# Altium PCB m-BLANC.PcbDoc (part 12 of 15) (continued)
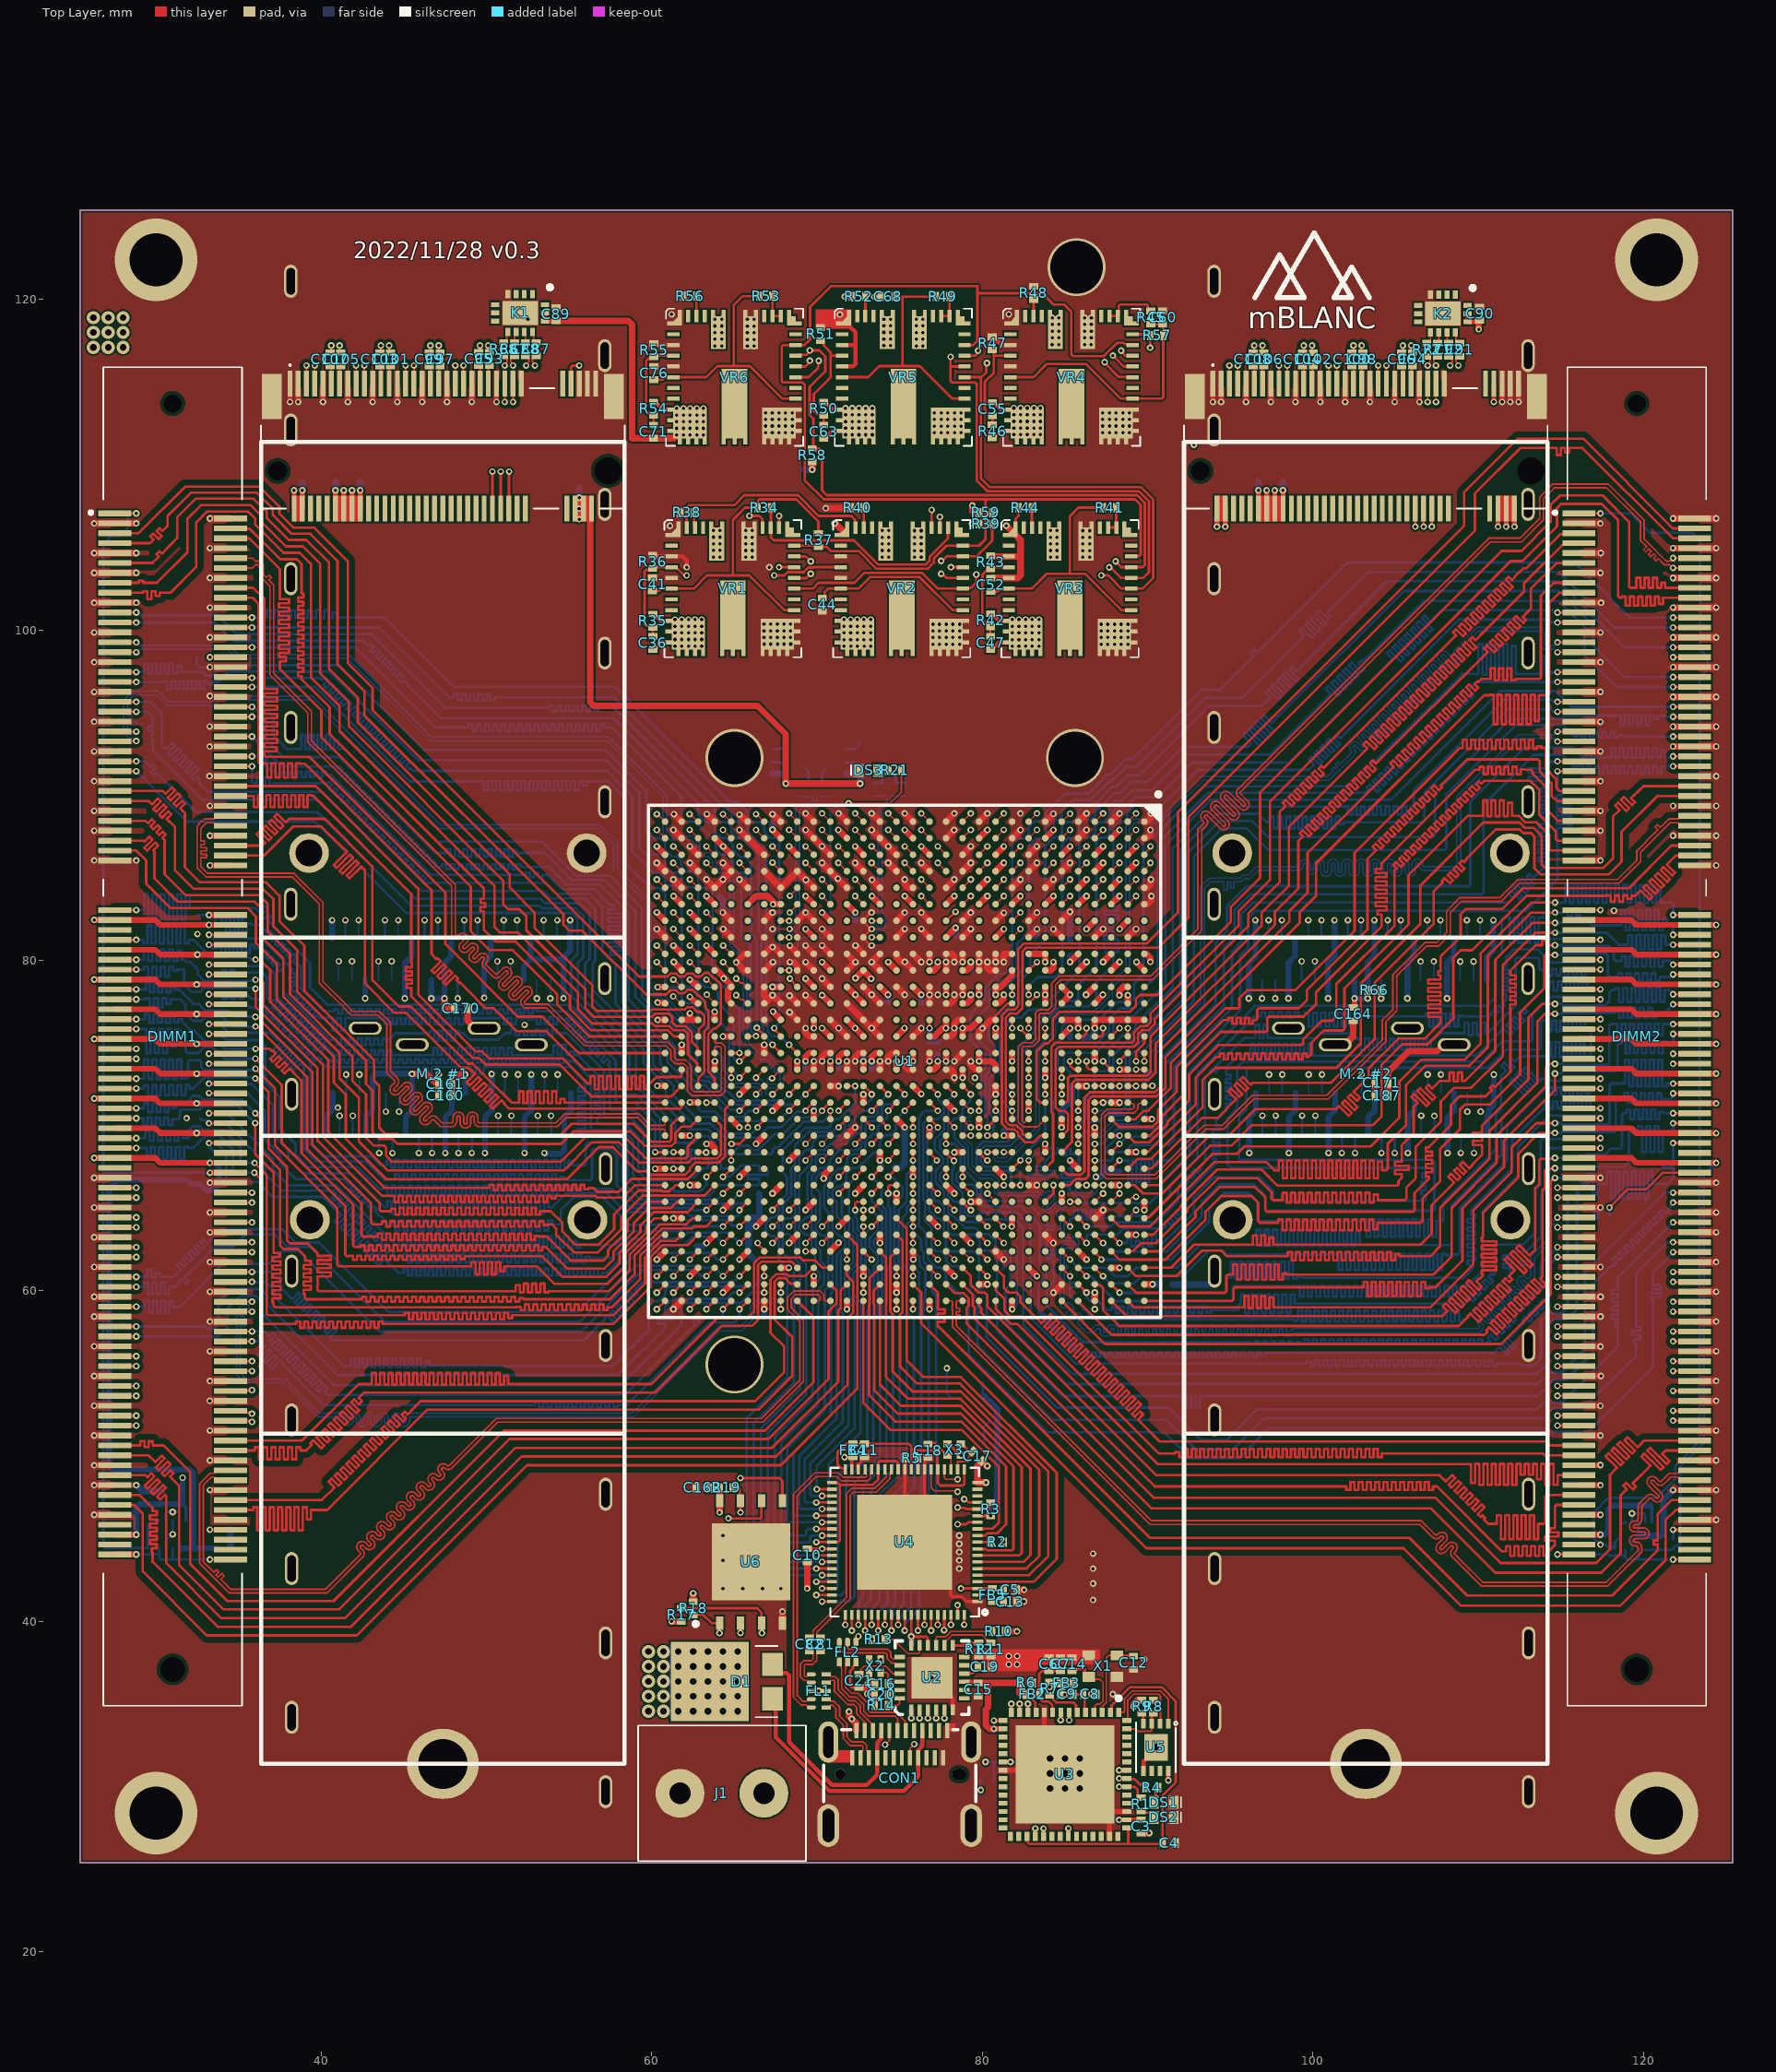
[diagram p0: Top Layer view]
## Nets (pads, with @x,y where several pads share a name; then routed paths per layer and width w, separated by ;. In a path a pad name is that pad's centre, name@x,y a point inside that pad or via, vN(x,y) a via of type N, cw(c..) or ccw(c..) an arc to the next point about the centre after c; other vN are vias at no path point) (continued)
PCIe2_RX2_N: "M.2 #2.17" U1.D5 | length 59.9
  Top Layer w0.1: U1.D5@86.8,84.4 v1(87.3,84.9) ; 97.95,114.9 v1(97.95,116)
  InLayer2 (Signal) w0.1: v1(87.3,84.9) 87.3,84.571 87.241,84.513 87.065,84.513 86.725,84.172 86.725,83.662 87.17,83.217 90.436,83.217 91.9,84.682 91.9,87.809 100.079,95.989 100.082,95.991 100.082,96.15 ; v1(97.95,116) 97.95,116.071 98.092,116.213 98.092,116.385 98.332,116.625 98.643,116.625 100.082,115.186 100.082,103.908 100.082,103.745 ccw(c100.182,103.745) 100.182,103.645 100.304,103.645 cw(c100.304,103.32) 100.629,103.32 cw(c100.304,103.32) 100.304,102.995 99.662,102.995 ccw(c99.662,102.895) 99.562,102.895 ccw(c99.662,102.895) 99.662,102.795 100.304,102.795 cw(c100.304,102.47) 100.629,102.47 cw(c100.304,102.47) 100.304,102.145 99.662,102.145 ccw(c99.662,102.045) 99.562,102.045 ccw(c99.662,102.045) 99.662,101.945 100.304,101.945 cw(c100.304,101.62) 100.629,101.62 cw(c100.304,101.62) 100.304,101.295 99.662,101.295 ccw(c99.662,101.195) 99.562,101.195 ccw(c99.662,101.195) 99.662,101.095 100.304,101.095 cw(c100.304,100.77) 100.629,100.77 cw(c100.304,100.77) 100.304,100.445 99.662,100.445 ccw(c99.662,100.345) 99.562,100.345 ccw(c99.662,100.345) 99.662,100.245 100.304,100.245 cw(c100.304,99.92) 100.629,99.92 cw(c100.304,99.92) 100.304,99.595 99.662,99.595 ccw(c99.662,99.495) 99.562,99.495 ccw(c99.662,99.495) 99.662,99.395 100.304,99.395 cw(c100.304,99.07) 100.629,99.07 cw(c100.304,99.07) 100.304,98.745 99.662,98.745 ccw(c99.662,98.645) 99.562,98.645 ccw(c99.662,98.645) 99.662,98.545 100.304,98.545 cw(c100.304,98.22) 100.629,98.22 cw(c100.304,98.22) 100.304,97.895 99.662,97.895 ccw(c99.662,97.795) 99.562,97.795 ccw(c99.662,97.795) 99.662,97.695 100.192,97.695 cw(c100.192,97.37) 100.517,97.37 cw(c100.192,97.37) 100.192,97.045 99.757,97.045 ccw(c99.757,96.945) 99.657,96.945 ccw(c99.757,96.945) 99.757,96.845 cw(c99.757,96.52) 100.082,96.52 100.082,96.151
PCIe2_RX2_P: "M.2 #2.19" U1.D6 | length 59.9
  Top Layer w0.1: U1.D6@86.8,83.4 v1(87.3,83.9) ; 98.45,114.9 v1(98.45,116)
  InLayer2 (Signal) w0.1: v1(87.3,83.9) 87.3,84.229 87.241,84.288 87.159,84.288 86.95,84.079 86.95,83.755 87.263,83.442 90.342,83.442 91.675,84.775 91.675,87.903 99.761,95.989 99.857,96.084 99.857,96.15 ; v1(98.45,116) 98.45,116.075 98.317,116.209 98.317,116.291 98.425,116.4 98.55,116.4 98.851,116.099 98.886,116.064 99.027,115.923 98.747,115.642 98.889,115.501 99.169,115.781 99.31,115.64 99.03,115.36 99.171,115.218 99.452,115.498 99.593,115.357 99.498,115.262 99.64,115.121 99.734,115.215 99.853,115.097 99.857,115.093 99.857,103.908 99.857,103.745 ccw(c100.182,103.745) 100.182,103.42 100.304,103.42 cw(c100.304,103.32) 100.404,103.32 cw(c100.304,103.32) 100.304,103.22 99.662,103.22 ccw(c99.662,102.895) 99.337,102.895 ccw(c99.662,102.895) 99.662,102.57 100.304,102.57 cw(c100.304,102.47) 100.404,102.47 cw(c100.304,102.47) 100.304,102.37 99.662,102.37 ccw(c99.662,102.045) 99.337,102.045 ccw(c99.662,102.045) 99.662,101.72 100.304,101.72 cw(c100.304,101.62) 100.404,101.62 cw(c100.304,101.62) 100.304,101.52 99.662,101.52 ccw(c99.662,101.195) 99.337,101.195 ccw(c99.662,101.195) 99.662,100.87 100.304,100.87 cw(c100.304,100.77) 100.404,100.77 cw(c100.304,100.77) 100.304,100.67 99.662,100.67 ccw(c99.662,100.345) 99.337,100.345 ccw(c99.662,100.345) 99.662,100.02 100.304,100.02 cw(c100.304,99.92) 100.404,99.92 cw(c100.304,99.92) 100.304,99.82 99.662,99.82 ccw(c99.662,99.495) 99.337,99.495 ccw(c99.662,99.495) 99.662,99.17 100.304,99.17 cw(c100.304,99.07) 100.404,99.07 cw(c100.304,99.07) 100.304,98.97 99.662,98.97 ccw(c99.662,98.645) 99.337,98.645 ccw(c99.662,98.645) 99.662,98.32 100.304,98.32 cw(c100.304,98.22) 100.404,98.22 cw(c100.304,98.22) 100.304,98.12 99.662,98.12 ccw(c99.662,97.795) 99.337,97.795 ccw(c99.662,97.795) 99.662,97.47 100.192,97.47 cw(c100.192,97.37) 100.292,97.37 cw(c100.192,97.37) 100.192,97.27 99.757,97.27 ccw(c99.757,96.945) 99.432,96.945 ccw(c99.757,96.945) 99.757,96.62 cw(c99.757,96.52) 99.857,96.52 99.857,96.151
PCIe2_RX3_N: "M.2 #2.5" U1.C3 | length 57.1
  Top Layer w0.1: U1.C3@87.8,86.4 v1(88.3,86.9) ; 94.95,114.9 v1(94.95,116)
  InLayer2 (Signal) w0.1: v1(88.3,86.9) 88.3,86.571 88.359,86.513 88.641,86.513 88.7,86.571 88.7,89.307 92.157,92.764 92.157,94.492 92.157,95.804 cw(c92.482,95.804) 92.482,96.129 92.904,96.129 ccw(c92.904,96.229) 93.003,96.229 ccw(c92.904,96.229) 92.904,96.329 92.168,96.329 cw(c92.168,96.654) 91.843,96.654 cw(c92.168,96.654) 92.168,96.979 93.022,96.979 ccw(c93.022,97.079) 93.122,97.079 ccw(c93.022,97.079) 93.022,97.179 92.168,97.179 cw(c92.168,97.504) 91.843,97.504 cw(c92.168,97.504) 92.168,97.829 93.022,97.829 ccw(c93.022,97.929) 93.122,97.929 ccw(c93.022,97.929) 93.022,98.029 92.168,98.029 cw(c92.168,98.354) 91.843,98.354 cw(c92.168,98.354) 92.168,98.679 93.022,98.679 ccw(c93.022,98.779) 93.122,98.779 ccw(c93.022,98.779) 93.022,98.879 92.168,98.879 cw(c92.168,99.204) 91.843,99.204 cw(c92.168,99.204) 92.168,99.529 93.022,99.529 ccw(c93.022,99.629) 93.122,99.629 ccw(c93.022,99.629) 93.022,99.729 92.168,99.729 cw(c92.168,100.054) 91.843,100.054 cw(c92.168,100.054) 92.168,100.379 93.022,100.379 ccw(c93.022,100.479) 93.122,100.479 ccw(c93.022,100.479) 93.022,100.579 92.168,100.579 cw(c92.168,100.904) 91.843,100.904 cw(c92.168,100.904) 92.168,101.229 93.022,101.229 ccw(c93.022,101.329) 93.122,101.329 ccw(c93.022,101.329) 93.022,101.429 92.168,101.429 cw(c92.168,101.754) 91.843,101.754 cw(c92.168,101.754) 92.168,102.079 93.022,102.079 ccw(c93.022,102.179) 93.122,102.179 ccw(c93.022,102.179) 93.022,102.279 92.168,102.279 cw(c92.168,102.604) 91.843,102.604 cw(c92.168,102.604) 92.168,102.929 93.022,102.929 ccw(c93.022,103.029) 93.122,103.029 ccw(c93.022,103.029) 93.022,103.129 92.168,103.129 cw(c92.168,103.454) 91.843,103.454 cw(c92.168,103.454) 92.168,103.779 93.022,103.779 ccw(c93.022,103.879) 93.122,103.879 ccw(c93.022,103.879) 93.022,103.979 92.482,103.979 cw(c92.482,104.304) 92.157,104.304 92.157,104.467 92.157,109.183 92.15,109.19 92.15,114.256 93.394,115.5 94.127,115.5 94.177,115.5 94.177,115.706 94.377,115.706 94.377,115.5 94.694,115.5 94.937,115.5 95.088,115.65 95.088,115.791 94.95,115.929 v1(94.95,116)
PCIe2_RX3_P: "M.2 #2.7" U1.C4 | length 57.1
  Top Layer w0.1: U1.C4@87.8,85.4 v1(88.3,85.9) ; 95.45,114.9 v1(95.45,116)
  InLayer2 (Signal) w0.1: v1(88.3,85.9) 88.3,86.229 88.359,86.288 88.735,86.288 88.925,86.478 88.925,89.214 92.382,92.671 92.382,94.492 92.382,95.804 cw(c92.482,95.804) 92.482,95.904 92.904,95.904 ccw(c92.904,96.229) 93.229,96.229 ccw(c92.904,96.229) 92.904,96.554 92.168,96.554 cw(c92.168,96.654) 92.068,96.654 cw(c92.168,96.654) 92.168,96.754 93.022,96.754 ccw(c93.022,97.079) 93.347,97.079 ccw(c93.022,97.079) 93.022,97.404 92.168,97.404 cw(c92.168,97.504) 92.068,97.504 cw(c92.168,97.504) 92.168,97.604 93.022,97.604 ccw(c93.022,97.929) 93.347,97.929 ccw(c93.022,97.929) 93.022,98.254 92.168,98.254 cw(c92.168,98.354) 92.068,98.354 cw(c92.168,98.354) 92.168,98.454 93.022,98.454 ccw(c93.022,98.779) 93.347,98.779 ccw(c93.022,98.779) 93.022,99.104 92.168,99.104 cw(c92.168,99.204) 92.068,99.204 cw(c92.168,99.204) 92.168,99.304 93.022,99.304 ccw(c93.022,99.629) 93.347,99.629 ccw(c93.022,99.629) 93.022,99.954 92.168,99.954 cw(c92.168,100.054) 92.068,100.054 cw(c92.168,100.054) 92.168,100.154 93.022,100.154 ccw(c93.022,100.479) 93.347,100.479 ccw(c93.022,100.479) 93.022,100.804 92.168,100.804 cw(c92.168,100.904) 92.068,100.904 cw(c92.168,100.904) 92.168,101.004 93.022,101.004 ccw(c93.022,101.329) 93.347,101.329 ccw(c93.022,101.329) 93.022,101.654 92.168,101.654 cw(c92.168,101.754) 92.068,101.754 cw(c92.168,101.754) 92.168,101.854 93.022,101.854 ccw(c93.022,102.179) 93.347,102.179 ccw(c93.022,102.179) 93.022,102.504 92.168,102.504 cw(c92.168,102.604) 92.068,102.604 cw(c92.168,102.604) 92.168,102.704 93.022,102.704 ccw(c93.022,103.029) 93.347,103.029 ccw(c93.022,103.029) 93.022,103.354 92.168,103.354 cw(c92.168,103.454) 92.068,103.454 cw(c92.168,103.454) 92.168,103.554 93.022,103.554 ccw(c93.022,103.879) 93.347,103.879 ccw(c93.022,103.879) 93.022,104.204 92.482,104.204 cw(c92.482,104.304) 92.382,104.304 92.382,104.467 92.382,109.276 92.375,109.283 92.375,114.163 93.487,115.275 95.03,115.275 95.313,115.557 95.313,115.791 95.45,115.929 v1(95.45,116)
PCIe2_TX0_N: C96.1 U1.D1 | length 55.5
  Top Layer w0.1: U1.D1@86.8,88.4 v1(87.3,88.9) ; C96.1@105.374,116.78 105.45,116.856 v1(105.45,117.21)
  InLayer2 (Signal) w0.1: v1(87.3,88.9) 87.3,88.571 87.241,88.513 86.959,88.513 86.9,88.571 86.9,89.243 90.621,92.964 90.621,115.165 90.778,115.322 90.813,115.357 90.955,115.499 91.142,115.311 91.284,115.453 91.096,115.64 91.238,115.782 91.425,115.594 91.567,115.735 91.379,115.923 91.52,116.064 91.553,116.032 91.694,116.173 91.662,116.206 91.743,116.287 93.929,118.473 100.99,118.473 101.387,118.473 ccw(c101.387,118.798) 101.712,118.798 101.712,119.013 cw(c101.812,119.013) 101.812,119.113 cw(c101.812,119.013) 101.912,119.013 101.912,118.086 ccw(c102.237,118.086) 102.237,117.761 ccw(c102.237,118.086) 102.562,118.086 102.562,119.013 cw(c102.662,119.013) 102.662,119.113 cw(c102.662,119.013) 102.762,119.013 102.762,118.086 ccw(c103.087,118.086) 103.087,117.761 ccw(c103.087,118.086) 103.412,118.086 103.412,119.013 cw(c103.512,119.013) 103.512,119.113 cw(c103.512,119.013) 103.612,119.013 103.612,118.086 ccw(c103.937,118.086) 103.937,117.761 ccw(c103.937,118.086) 104.262,118.086 104.262,118.373 cw(c104.362,118.373) 104.362,118.473 104.525,118.473 105.146,118.473 105.588,118.031 105.588,117.419 105.45,117.281 v1(105.45,117.21)
PCIe2_TX0_P: C94.1 U1.D2 | length 55.4
  Top Layer w0.1: U1.D2@86.8,87.4 v1(87.3,87.9) ; v1(105.95,117.21) 105.95,116.854 C94.1@106.024,116.78
  InLayer2 (Signal) w0.1: v1(87.3,87.9) 87.3,88.229 87.241,88.288 86.865,88.288 86.675,88.478 86.675,89.336 90.396,93.057 90.396,115.259 93.835,118.698 100.99,118.698 101.387,118.698 ccw(c101.387,118.798) 101.487,118.798 101.487,119.013 cw(c101.812,119.013) 101.812,119.338 cw(c101.812,119.013) 102.137,119.013 102.137,118.086 ccw(c102.237,118.086) 102.237,117.986 ccw(c102.237,118.086) 102.337,118.086 102.337,119.013 cw(c102.662,119.013) 102.662,119.338 cw(c102.662,119.013) 102.987,119.013 102.987,118.086 ccw(c103.087,118.086) 103.087,117.986 ccw(c103.087,118.086) 103.187,118.086 103.187,119.013 cw(c103.512,119.013) 103.512,119.338 cw(c103.512,119.013) 103.837,119.013 103.837,118.086 ccw(c103.937,118.086) 103.937,117.986 ccw(c103.937,118.086) 104.037,118.086 104.037,118.373 cw(c104.362,118.373) 104.362,118.698 104.525,118.698 105.239,118.698 105.813,118.124 105.813,117.419 105.95,117.281 v1(105.95,117.21)
PCIe2_TX1_N: C100.1 U1.B1 | length 55.4
  Top Layer w0.1: U1.B1@88.8,88.4 v1(89.3,88.9) ; C100.1@102.364,116.78 102.45,116.866 v1(102.45,117.21)
  InLayer2 (Signal) w0.1: v1(89.3,88.9) 89.3,88.571 89.359,88.513 89.45,88.513 89.625,88.688 89.625,89.138 91.532,91.046 93.01,92.523 93.01,95.469 93.647,96.106 94.935,96.106 95.05,96.221 95.05,96.273 95.05,96.757 ccw(c94.95,96.757) 94.95,96.857 cw(c94.95,97.182) 94.625,97.182 cw(c94.95,97.182) 94.95,97.507 95.889,97.507 ccw(c95.889,97.607) 95.989,97.607 ccw(c95.889,97.607) 95.889,97.707 94.704,97.707 cw(c94.704,98.032) 94.379,98.032 cw(c94.704,98.032) 94.704,98.357 95.918,98.357 ccw(c95.918,98.457) 96.018,98.457 ccw(c95.918,98.457) 95.918,98.557 94.704,98.557 cw(c94.704,98.882) 94.379,98.882 cw(c94.704,98.882) 94.704,99.207 95.918,99.207 ccw(c95.918,99.307) 96.018,99.307 ccw(c95.918,99.307) 95.918,99.407 94.704,99.407 cw(c94.704,99.732) 94.379,99.732 cw(c94.704,99.732) 94.704,100.057 95.918,100.057 ccw(c95.918,100.157) 96.018,100.157 ccw(c95.918,100.157) 95.918,100.257 94.704,100.257 cw(c94.704,100.582) 94.379,100.582 cw(c94.704,100.582) 94.704,100.907 95.918,100.907 ccw(c95.918,101.007) 96.018,101.007 ccw(c95.918,101.007) 95.918,101.107 95.375,101.107 cw(c95.375,101.432) 95.05,101.432 95.05,101.595 95.05,114.668 95.327,114.945 95.641,114.945 95.691,114.945 95.691,115.123 95.891,115.123 95.891,114.945 96.032,114.945 96.16,114.945 96.375,115.16 96.375,116.113 98.106,117.844 101.165,117.844 102.255,116.754 102.494,116.754 102.587,116.847 102.587,117.001 102.45,117.139 v1(102.45,117.21)
PCIe2_TX1_P: C98.1 U1.B2 | length 55.5
  Top Layer w0.1: U1.B2@88.8,87.4 v1(89.3,87.9) v1@89.367,87.9 ; v1(102.95,117.21) 102.95,116.848 C98.1@103.018,116.78
  InLayer2 (Signal) w0.1: v1(89.3,87.9) 89.3,88.229 89.359,88.288 89.543,88.288 89.85,88.594 89.85,89.045 91.626,90.821 93.235,92.43 93.235,95.375 93.741,95.881 95.028,95.881 95.275,96.128 95.275,96.273 95.275,96.757 ccw(c94.95,96.757) 94.95,97.082 cw(c94.95,97.182) 94.85,97.182 cw(c94.95,97.182) 94.95,97.282 95.889,97.282 ccw(c95.889,97.607) 96.214,97.607 ccw(c95.889,97.607) 95.889,97.932 94.704,97.932 cw(c94.704,98.032) 94.604,98.032 cw(c94.704,98.032) 94.704,98.132 95.918,98.132 ccw(c95.918,98.457) 96.243,98.457 ccw(c95.918,98.457) 95.918,98.782 94.704,98.782 cw(c94.704,98.882) 94.604,98.882 cw(c94.704,98.882) 94.704,98.982 95.918,98.982 ccw(c95.918,99.307) 96.243,99.307 ccw(c95.918,99.307) 95.918,99.632 94.704,99.632 cw(c94.704,99.732) 94.604,99.732 cw(c94.704,99.732) 94.704,99.832 95.918,99.832 ccw(c95.918,100.157) 96.243,100.157 ccw(c95.918,100.157) 95.918,100.482 94.704,100.482 cw(c94.704,100.582) 94.604,100.582 cw(c94.704,100.582) 94.704,100.682 95.918,100.682 ccw(c95.918,101.007) 96.243,101.007 ccw(c95.918,101.007) 95.918,101.332 95.375,101.332 cw(c95.375,101.432) 95.275,101.432 95.275,101.595 95.275,114.575 95.42,114.72 96.253,114.72 96.6,115.067 96.6,116.02 98.199,117.619 101.072,117.619 102.162,116.529 102.587,116.529 102.812,116.754 102.812,117.001 102.95,117.139 v1(102.95,117.21)
PCIe2_TX2_N: C104.1 U1.A3 | length 56
  Top Layer w0.1: U1.A3@89.8,86.4 89.8,86.465 90.171,86.835 v1(90.171,86.9) ; C104.1@99.37,116.78 99.45,116.86 v1(99.45,117.21)
  InLayer2 (Signal) w0.1: v1(90.171,86.9) 90.171,86.571 90.229,86.513 90.441,86.513 90.9,86.971 90.9,88.306 98.621,96.028 98.621,105.311 98.621,105.721 ccw(c98.521,105.721) 98.521,105.821 97.977,105.821 cw(c97.977,106.146) 97.652,106.146 cw(c97.977,106.146) 97.977,106.471 99.149,106.471 ccw(c99.149,106.571) 99.249,106.571 ccw(c99.149,106.571) 99.149,106.671 97.953,106.671 cw(c97.953,106.996) 97.628,106.996 cw(c97.953,106.996) 97.953,107.321 99.149,107.321 ccw(c99.149,107.421) 99.249,107.421 ccw(c99.149,107.421) 99.149,107.521 98.946,107.521 cw(c98.946,107.846) 98.621,107.846 98.621,108.009 98.621,108.415 98.621,108.874 ccw(c98.521,108.874) 98.521,108.974 97.885,108.974 cw(c97.885,109.299) 97.56,109.299 cw(c97.885,109.299) 97.885,109.624 99.064,109.624 ccw(c99.064,109.724) 99.164,109.724 ccw(c99.064,109.724) 99.064,109.824 97.885,109.824 cw(c97.885,110.149) 97.56,110.149 cw(c97.885,110.149) 97.885,110.474 99.064,110.474 ccw(c99.064,110.574) 99.164,110.574 ccw(c99.064,110.574) 99.064,110.674 97.885,110.674 cw(c97.885,110.999) 97.56,110.999 cw(c97.885,110.999) 97.885,111.324 99.064,111.324 ccw(c99.064,111.424) 99.164,111.424 ccw(c99.064,111.424) 99.064,111.524 97.885,111.524 cw(c97.885,111.849) 97.56,111.849 cw(c97.885,111.849) 97.885,112.174 99.064,112.174 ccw(c99.064,112.274) 99.164,112.274 ccw(c99.064,112.274) 99.064,112.374 98.946,112.374 cw(c98.946,112.699) 98.621,112.699 98.621,112.862 98.621,112.91 98.075,113.457 98.075,114.212 97.653,114.634 97.617,114.67 97.479,114.532 97.338,114.673 97.476,114.811 97.293,114.993 97.151,115.136 97.151,116.174 98.154,117.177 98.985,117.177 99.368,116.794 99.529,116.794 99.587,116.853 99.587,117.001 99.45,117.139 v1(99.45,117.21)
PCIe2_TX2_P: C102.1 U1.A4 | length 55.9
  Top Layer w0.1: U1.A4@89.8,85.4 89.8,85.465 90.171,85.835 v1(90.171,85.9) ; v1(99.95,117.21) 99.95,116.857 C102.1@100.027,116.78
  InLayer2 (Signal) w0.1: v1(90.171,85.9) 90.171,86.229 90.229,86.288 90.535,86.288 91.125,86.878 91.125,88.213 98.846,95.934 98.846,105.311 98.846,105.721 ccw(c98.521,105.721) 98.521,106.046 97.977,106.046 cw(c97.977,106.146) 97.877,106.146 cw(c97.977,106.146) 97.977,106.246 99.149,106.246 ccw(c99.149,106.571) 99.474,106.571 ccw(c99.149,106.571) 99.149,106.896 97.953,106.896 cw(c97.953,106.996) 97.853,106.996 cw(c97.953,106.996) 97.953,107.096 99.149,107.096 ccw(c99.149,107.421) 99.474,107.421 ccw(c99.149,107.421) 99.149,107.746 98.946,107.746 cw(c98.946,107.846) 98.846,107.846 98.846,108.009 98.846,108.415 98.846,108.874 ccw(c98.521,108.874) 98.521,109.199 97.885,109.199 cw(c97.885,109.299) 97.785,109.299 cw(c97.885,109.299) 97.885,109.399 99.064,109.399 ccw(c99.064,109.724) 99.389,109.724 ccw(c99.064,109.724) 99.064,110.049 97.885,110.049 cw(c97.885,110.149) 97.785,110.149 cw(c97.885,110.149) 97.885,110.249 99.064,110.249 ccw(c99.064,110.574) 99.389,110.574 ccw(c99.064,110.574) 99.064,110.899 97.885,110.899 cw(c97.885,110.999) 97.785,110.999 cw(c97.885,110.999) 97.885,111.099 99.064,111.099 ccw(c99.064,111.424) 99.389,111.424 ccw(c99.064,111.424) 99.064,111.749 97.885,111.749 cw(c97.885,111.849) 97.785,111.849 cw(c97.885,111.849) 97.885,111.949 99.064,111.949 ccw(c99.064,112.274) 99.389,112.274 ccw(c99.064,112.274) 99.064,112.599 98.946,112.599 cw(c98.946,112.699) 98.846,112.699 98.846,112.862 98.846,113.004 98.3,113.55 98.3,114.305 97.376,115.229 97.376,116.081 98.247,116.952 98.891,116.952 99.274,116.569 99.622,116.569 99.813,116.759 99.813,117.001 99.95,117.139 v1(99.95,117.21)
PCIe2_TX3_N: C108.1 U1.B5 | length 58.7
  Top Layer w0.1: U1.B5@88.8,84.4 v1(89.3,84.9) ; C108.1@96.376,116.78 96.45,116.854 v1(96.45,117.21)
  InLayer2 (Signal) w0.1: v1(89.3,84.9) 89.3,84.584 89.241,84.525 88.18,84.525 87.9,84.805 87.9,89.216 91.502,92.818 91.502,104.271 91.502,104.762 cw(c91.602,104.762) 91.602,104.862 91.632,104.862 ccw(c91.632,105.187) 91.957,105.187 ccw(c91.632,105.187) 91.632,105.512 91.146,105.512 cw(c91.146,105.612) 91.046,105.612 cw(c91.146,105.612) 91.146,105.712 91.632,105.712 ccw(c91.632,106.037) 91.957,106.037 ccw(c91.632,106.037) 91.632,106.362 91.146,106.362 cw(c91.146,106.462) 91.046,106.462 cw(c91.146,106.462) 91.146,106.562 91.632,106.562 ccw(c91.632,106.887) 91.957,106.887 ccw(c91.632,106.887) 91.632,107.212 91.146,107.212 cw(c91.146,107.312) 91.046,107.312 cw(c91.146,107.312) 91.146,107.412 91.632,107.412 ccw(c91.632,107.737) 91.957,107.737 ccw(c91.632,107.737) 91.632,108.062 91.146,108.062 cw(c91.146,108.162) 91.046,108.162 cw(c91.146,108.162) 91.146,108.262 91.632,108.262 ccw(c91.632,108.587) 91.957,108.587 ccw(c91.632,108.587) 91.632,108.912 91.146,108.912 cw(c91.146,109.012) 91.046,109.012 cw(c91.146,109.012) 91.146,109.112 91.625,109.112 ccw(c91.625,109.437) 91.95,109.437 ccw(c91.625,109.437) 91.625,109.762 91.146,109.762 cw(c91.146,109.862) 91.046,109.862 cw(c91.146,109.862) 91.146,109.962 91.625,109.962 ccw(c91.625,110.287) 91.95,110.287 ccw(c91.625,110.287) 91.625,110.612 91.146,110.612 cw(c91.146,110.712) 91.046,110.712 cw(c91.146,110.712) 91.146,110.812 91.625,110.812 ccw(c91.625,111.137) 91.95,111.137 ccw(c91.625,111.137) 91.625,111.462 91.146,111.462 cw(c91.146,111.562) 91.046,111.562 cw(c91.146,111.562) 91.146,111.662 91.625,111.662 ccw(c91.625,111.987) 91.95,111.987 ccw(c91.625,111.987) 91.625,112.312 91.146,112.312 cw(c91.146,112.412) 91.046,112.412 cw(c91.146,112.412) 91.146,112.512 91.625,112.512 ccw(c91.625,112.837) 91.95,112.837 ccw(c91.625,112.837) 91.625,113.162 91.602,113.162 cw(c91.602,113.262) 91.502,113.262 91.502,113.424 91.502,114.675 91.779,114.951 91.893,115.066 ; 91.894,115.067 92.173,115.345 cw(c92.244,115.275) 92.316,115.345 ; 92.316,115.345 92.324,115.337 ccw(c92.555,115.566) 92.817,115.757 92.817,115.763 92.538,116.042 cw(c92.608,116.113) 92.538,116.184 cw(c92.608,116.113) 92.679,116.184 92.925,115.938 ccw(c93.156,116.167) 93.418,116.358 93.418,116.364 93.139,116.643 cw(c93.209,116.714) 93.139,116.785 cw(c93.209,116.714) 93.28,116.785 ; 93.281,116.784 93.526,116.539 ccw(c93.757,116.768) 94.019,116.959 94.019,116.965 93.977,117.007 cw(c94.047,117.079) 93.977,117.15 94.092,117.264 94.454,117.626 94.608,117.626 94.858,117.626 94.858,117.341 95.058,117.341 95.058,117.626 95.258,117.626 95.258,117.372 95.458,117.372 95.458,117.626 96.062,117.626 96.529,117.626 96.588,117.567 96.588,117.419 96.45,117.281 v1(96.45,117.21)
PCIe2_TX3_P: C106.1 U1.B6 | length 58.7
  Top Layer w0.1: U1.B6@88.8,83.4 v1(89.3,83.9) ; v1(96.95,117.21) 96.95,116.858 C106.1@97.028,116.78
  InLayer2 (Signal) w0.1: v1@89.3,83.9 89.3,84.241 89.241,84.3 88.087,84.3 87.675,84.712 87.675,89.309 91.277,92.911 91.277,104.271 91.277,104.762 cw(c91.602,104.762) 91.602,105.087 91.632,105.087 ccw(c91.632,105.187) 91.732,105.187 ccw(c91.632,105.187) 91.632,105.287 91.146,105.287 cw(c91.146,105.612) 90.821,105.612 cw(c91.146,105.612) 91.146,105.937 91.632,105.937 ccw(c91.632,106.037) 91.732,106.037 ccw(c91.632,106.037) 91.632,106.137 91.146,106.137 cw(c91.146,106.462) 90.821,106.462 cw(c91.146,106.462) 91.146,106.787 91.632,106.787 ccw(c91.632,106.887) 91.732,106.887 ccw(c91.632,106.887) 91.632,106.987 91.146,106.987 cw(c91.146,107.312) 90.821,107.312 cw(c91.146,107.312) 91.146,107.637 91.632,107.637 ccw(c91.632,107.737) 91.732,107.737 ccw(c91.632,107.737) 91.632,107.837 91.146,107.837 cw(c91.146,108.162) 90.821,108.162 cw(c91.146,108.162) 91.146,108.487 91.632,108.487 ccw(c91.632,108.587) 91.732,108.587 ccw(c91.632,108.587) 91.632,108.687 91.146,108.687 cw(c91.146,109.012) 90.821,109.012 cw(c91.146,109.012) 91.146,109.337 91.625,109.337 ccw(c91.625,109.437) 91.725,109.437 ccw(c91.625,109.437) 91.625,109.537 91.146,109.537 cw(c91.146,109.862) 90.821,109.862 cw(c91.146,109.862) 91.146,110.187 91.625,110.187 ccw(c91.625,110.287) 91.725,110.287 ccw(c91.625,110.287) 91.625,110.387 91.146,110.387 cw(c91.146,110.712) 90.821,110.712 cw(c91.146,110.712) 91.146,111.037 91.625,111.037 ccw(c91.625,111.137) 91.725,111.137 ccw(c91.625,111.137) 91.625,111.237 91.146,111.237 cw(c91.146,111.562) 90.821,111.562 cw(c91.146,111.562) 91.146,111.887 91.625,111.887 ccw(c91.625,111.987) 91.725,111.987 ccw(c91.625,111.987) 91.625,112.087 91.146,112.087 cw(c91.146,112.412) 90.821,112.412 cw(c91.146,112.412) 91.146,112.737 91.625,112.737 ccw(c91.625,112.837) 91.725,112.837 ccw(c91.625,112.837) 91.625,112.937 91.602,112.937 cw(c91.602,113.262) 91.277,113.262 91.277,113.424 91.277,114.768 91.62,115.11 91.734,115.225 ; 91.735,115.226 92.014,115.505 cw(c92.244,115.275) 92.436,115.538 92.441,115.538 92.474,115.506 cw(c92.244,115.275) 92.475,115.505 92.483,115.496 ccw(c92.555,115.566) 92.625,115.637 92.379,115.883 cw(c92.608,116.113) 92.378,116.343 ; 92.379,116.344 cw(c92.608,116.113) 92.8,116.376 92.805,116.376 93.084,116.097 ccw(c93.156,116.167) 93.226,116.238 ; 92.979,116.944 ccw(c93.209,116.714) 92.98,116.484 93.225,116.239 ; 92.98,116.945 cw(c93.209,116.714) 93.401,116.977 93.406,116.977 93.685,116.698 ccw(c93.757,116.768) 93.827,116.839 ; 93.817,117.308 ccw(c94.047,117.079) 93.818,116.848 93.826,116.84 ; 93.818,117.309 93.933,117.423 94.36,117.851 96.622,117.851 96.813,117.661 96.813,117.419 96.95,117.281 v1(96.95,117.21)
PCIe2_WAKE: "M.2 #2.54" U1.A15 | length 43.9
  Top Layer w0.15: v1(89.8,73.9) U1.A15@89.8,74.4 ; v1(107.2,106.25) 107.2,107.35
  InLayer1 (GND) w0.15: v1(89.8,73.9) 89.8,75.266 90.574,76.041 90.574,78.967 91.1,79.493 91.1,89.237 91.072,89.265 91.072,94.505 98.755,102.188 103.315,102.188 106.95,105.823 106.95,105.932 107.2,106.182 v1(107.2,106.25)
POK_1.0V: R37.2 VR1.32 VR2.32 VR3.31 VR4.31 VR5.31 VR6.31 | length 81
  Top Layer w0.15: VR1.32@68.6,105.1 70.007,105.1 R37.2@70.076,105.031 70.569,105.031 70.832,104.768 72.526,104.768 73.594,103.7 76.676,103.7 77.058,104.083 77.058,104.318 77.84,105.1 VR2.32@78.82,105.1 79.8,105.1 80.197,105.497 80.197,107.812 80.285,107.9 ; VR5.31@78.92,117.243 79.443,117.243 79.7,117.5 79.7,120.375 ; VR3.31@89,104.45 89.025,104.475 89.493,104.475 89.581,104.563 89.581,107.56 89.241,107.9 80.285,107.9 ; VR4.31@89.1,117.243 89.05,117.293 88.638,117.293 88.555,117.375 88.145,117.375 87.345,116.575 85.467,116.575 85.38,116.663 85.38,119.254 84.942,119.692 84.308,119.692 83.625,120.375 79.7,120.375 ; 79.7,120.375 79.7,120.8 70.818,120.8 69.571,119.553 69.571,117.571 69.243,117.243 VR6.31@68.7,117.243 67.968,117.243 67.86,117.135 67.86,115.059 67.948,114.971 69.121,114.971 69.25,114.843 69.25,111.845 69.246,111.841 69.246,109.054 70.4,107.9 80.285,107.9
POK_1.35V: R57.2 U7.7 U7.9 U8.7 U8.9 VR4.32 | length 258.9
  Top Layer w0.15: VR4.32@89.1,117.893 R57.2@90.1,117.893 ; v1(90.152,117.078) 90.155,117.081 90.155,117.81 R57.2@90.158,117.813
  InLayer3 (PWR) w0.15: v1(31,46.625) 29.22,48.405 29.22,109.137 29.308,109.225 36.325,109.225 36.413,109.313 36.413,109.913 36.975,110.475 37.759,110.475 38.3,109.934 38.3,109.288 38.413,109.175 52.854,109.175 52.994,109.315 52.994,113.727 53.082,113.815 60.912,113.815 61,113.903 61,116.055 61.088,116.142 69.099,116.142 69.187,116.23 69.187,117.073 69.407,117.292 69.717,117.292 69.937,117.073 69.937,116.762 70.038,116.661 70.254,116.661 70.473,116.441 70.473,116.226 70.599,116.1 79.6,116.1 80.026,116.526 80.689,116.526 81.135,116.079 86.749,116.079 87.245,116.575 87.97,117.3 89.93,117.3 v1(90.152,117.078) ; v1(92.8,111.2) 92.848,111.152 93.148,111.152 93.288,111.012 93.288,110.563 93.376,110.475 93.552,110.475 94.05,109.977 94.05,109.273 93.545,108.768 93.481,108.768 93.393,108.68 93.393,85.803 95.896,83.3 103.204,83.3 103.292,83.212 103.292,82.265 103.492,82.065 103.943,82.065 104.151,82.273 104.151,83.212 104.239,83.3 112.738,83.3 113,83.562 113,85.208 113.692,85.9 117.02,85.9 117.245,85.675 117.555,85.675 117.78,85.9 123.7,85.9 124.628,84.972 124.628,82.452 124.775,82.305 124.775,81.995 124.6,81.82 124.6,80.68 124.783,80.497 124.783,80.235 124.775,80.226 124.775,80.195 124.6,80.02 124.6,78.9 124.783,78.717 124.783,78.383 124.6,78.2 124.6,77.158 124.789,76.969 124.789,76.489 124.6,76.3 124.6,75.312 124.775,75.137 124.775,74.767 124.6,74.592 124.6,73.5 124.775,73.325 124.775,72.975 124.6,72.8 124.6,71.68 124.775,71.505 124.775,71.195 124.6,71.02 124.6,69.88 124.775,69.705 124.775,69.395 124.6,69.22 124.6,68.08 124.775,67.905 124.775,67.537 124.538,67.3 118.522,67.3 118.434,67.212 118.434,64.92 118.434,46.933 118.829,46.538 v1(119.307,46.538)
  InLayer4 (GND) w0.15: v1(90.152,117.078) 90.152,111.748 90.7,111.2 v1(92.8,111.2)
  Bottom Layer w0.15: U7.7@30.6,46.125 30.6,46.55 30.688,46.638 v1@31,46.638 ; v1@31.013,46.638 31.312,46.638 31.4,46.55 U7.9@31.4,46.125 ; v1@119.303,46.543 v1(119.307,46.538) 119.31,46.535 119.31,46.04 U8.7@119.312,46.038 ; v1@119.313,46.543 120.012,46.543 120.112,46.443 U8.9@120.112,46.038
PROG_B: Q1.3 R15.1 U1.AB11 | length 75.8
  Top Layer w0.15: v1(68.349,78.9) 68.349,78.876 68.8,78.424 U1.AB11@68.8,78.4
  InLayer1 (GND) w0.1: v1(68.349,78.9) 68.358,78.89 68.634,78.89 68.839,78.685 68.839,74.791 68.245,74.197 68.245,73.46 69.205,72.5 70.338,72.5 71.68,71.158 71.68,64.585 71.999,64.267 73.59,64.267 73.65,64.207 73.65,63.556 73.568,63.474 73.352,63.474 73,63.121 73,62.916 72.652,62.568 72.652,61.53 72.25,61.128 72.25,60.255 71.25,59.255 71.25,58.35 70.3,57.4 70.3,54.056 65.767,49.523 65.118,49.523 64.428,48.833 64.428,47.028 64.35,46.95 63.955,46.95 63.7,46.695 63.7,41.7 64.549,40.851 64.549,39.282 64.931,38.9 65.74,38.9 66.092,38.549 80.821,38.549 80.88,38.49 80.88,35.026 80.1,34.247 80.1,32.686 80.192,32.594 v1(80.192,31.496)
  Bottom Layer w0.15: v1(80.192,31.496) 80.825,31.496 Q1.3@80.838,31.483 80.7,31.345 R15.1@80.7,30.4